# Altium PCB PCB-G-1.PcbDoc (part 1 of 2) (continued)
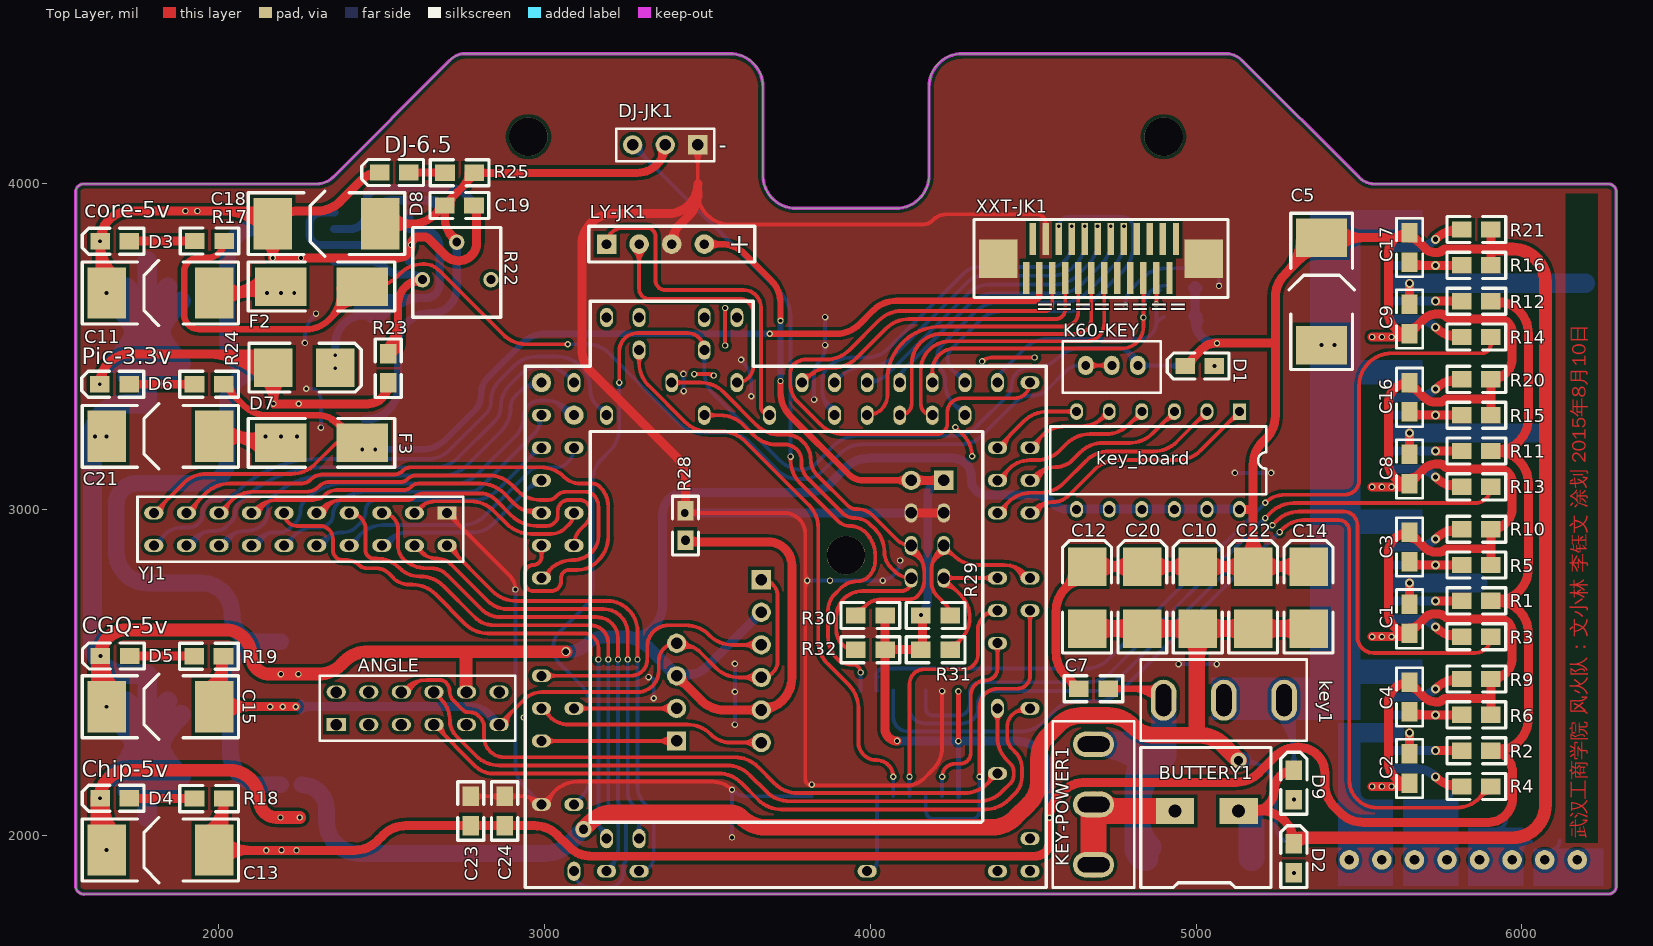
[diagram p0: Top Layer view]
## Nets (pads, with @x,y where several pads share a name; then routed paths per layer and width w, separated by ;. In a path a pad name is that pad's centre, name@x,y a point inside that pad or via, vN(x,y) a via of type N, cw(c..) or ccw(c..) an arc to the next point about the centre after c; other vN are vias at no path point) (continued)
  Top Layer w39.37: v1(1635,2114) cw(c1721,2114) 1721,2200 2032,2200 cw(c2032,2108) 2124,2108 ccw(c2177,2108) 2177,2055 v1(2189,2055) v1(2248,2055) ; v1(1636,2551) cw(c1716,2551) 1716,2631 2020,2631 cw(c2020,2552) 2099,2552 ccw(c2156,2552) 2156,2495 v1(2190,2495) v1(2244,2495) 2304.58,2495 ccw(c2304.58,2595) 2375.29,2524.29 2385.71,2534.71 cw(c2456.42,2464) 2456.42,2564 2757,2564 ; ANGLE.10@2760,2440 cw(c2760,2442) 2758,2442 2758,2563 ccw(c2757,2563) 2757,2564 ; v4(3065,2564) 2757,2564 ; D2.2@5303.76,1976.24 cw(c5344.22,1935.78) 5344.22,1993 ; D2.2@5318,1993 5972,1993 ccw(c5972,2093) 6072,2093 6072,3700 ccw(c5972,3700) 5972,3800 5905,3800
  Top Layer w59.06: D4.2@1635,2094.26 ccw(c1774.57,2094.26) C13.2@1675.88,1995.56 ; v1(1635,2114) 1635,1975 ccw(c1655,1975) v1(1655,1955) ; D5.2@1636,2531.84 ccw(c1772.16,2531.84) C15.2@1675.88,2435.56 ; v1(1636,2551) 1636,2414 ccw(c1655,2414) v1(1655,2395)
  Bottom Layer w25: AS1015.8@2584,3762 AS1015.7@2584,3812 ; AS1015.7@2584,3804.93 cw(c2598.07,3804.93) AS1015.7@2588.12,3814.88
  Bottom Layer w27.56: 3244.58,2609 3262,2609 ccw(c3262,2709) 3362,2709 3362,2986 cw(c3429,2986) 3429,3053 3807.58,3053 ccw(c3807.58,3153) 3878.29,3082.29 3924.71,3128.71 cw(c3995.42,3058) 3995.42,3158 4253,3158 cw(c4253,3101) 4310,3101 4310,3092 ccw(c4357,3092) 4357,3045 4501.47,3045 cw(c4501.47,2966.47) 4557,3022 ccw(c4605.3,3070.3) 4605.3,3001.99 5135.4,3001.99 ccw(c5135.4,2998.6) key_board.12@5133,3001 ; HW-RX1.3@3405,2490 3428.58,2490 ccw(c3428.58,2590) 3499.29,2519.29 GDG-RX1.2@3665,2685 ; HW-RX1.3@3412.87,2503.64 ccw(c3442.3,2554.61) 3457.53,2497.76 ; GDG-RX1.2@3649.25,2685 cw(c3611.23,2685) 3638.12,2658.12 cw(c3665,2631.23) GDG-RX1.2@3665,2669.25 ; RX2.1@4989.07,3594.93 ccw(c4969.91,3614.09) 4997,3614.09 ccw(c5024.09,3614.09) RX2.1@5004.93,3594.93 ; RX1.1@4989.07,3680.07 cw(c4969.91,3660.91) 4997,3660.91 cw(c5024.09,3660.91) RX1.1@5004.93,3680.07 ; RX1.1@4997,3688 4997,3588 4997,3578 ccw(c5064,3578) v1(5064,3511) ; 5002.77,3556.48 cw(c5023.95,3562.16) RX2.1@5009.43,3578.59
  Bottom Layer w39.37: v4(3065,2564) 3073.47,2564 ccw(c3073.47,2642.53) 3129,2587 cw(c3182.11,2533.89) 3182.11,2609 3218,2609 3244.58,2609 cw(c3244.58,2509) 3315.29,2579.71 HW-RX1.3@3405,2490
  Bottom Layer w59.06: 2.4@1675.6,2179.08 ccw(c1423.57,2431.11) 1780,2431.11 ccw(c2136.43,2431.11) 2.4@1884.4,2179.08 ; 3.4@1675.6,2370.92 cw(c1423.57,2118.89) 1780,2118.89 cw(c2136.43,2118.89) 3.4@1884.4,2370.92 ; 4.4@1675.6,3449.08 ccw(c1423.57,3701.11) 1780,3701.11 ccw(c2136.43,3701.11) 4.4@1884.4,3449.08 ; 1.4@1675.6,3640.92 cw(c1423.57,3388.89) 1780,3388.89 cw(c2136.43,3388.89) 1.4@1884.4,3640.92 ; 2.4@1706.15,2202.52 ccw(c1672.6,2260.6) 1737.38,2277.95 ccw(c1813.04,2298.23) 2.4@1801.59,2220.74 ; 4.4@1706.15,3472.52 ccw(c1672.6,3530.6) 1737.38,3547.95 ccw(c1813.04,3568.23) 4.4@1801.59,3490.74 ; 2.4@1717.36,2137.32 ccw(c1566.14,2288.54) 1780,2288.54 ccw(c1993.86,2288.54) 2.4@1842.64,2137.32 ; 3.4@1717.36,2412.68 cw(c1566.14,2261.46) 1780,2261.46 cw(c1993.86,2261.46) 3.4@1842.64,2412.68 ; 4.4@1717.36,3407.32 ccw(c1566.14,3558.54) 1780,3558.54 ccw(c1993.86,3558.54) 4.4@1842.64,3407.32 ; 1.4@1717.36,3682.68 cw(c1566.14,3531.46) 1780,3531.46 cw(c1993.86,3531.46) 1.4@1842.64,3682.68 ; 2.4@1758.41,2220.74 ccw(c1746.96,2298.23) 1822.62,2277.95 ccw(c1887.4,2260.6) 2.4@1853.85,2202.52 ; 4.4@1758.41,3490.74 ccw(c1746.96,3568.23) 1822.62,3547.95 ccw(c1887.4,3530.6) 4.4@1853.85,3472.52 ; 2.4@1780,2055 3.4@1780,2495 1712,2495 cw(c1712,2595) 1612,2595 1612,3225 cw(c1712,3225) 1712,3325 4.4@1780,3325 1.4@1780,3765
  Bottom Layer w78.74: BUTTERY1.1@5130,2075 cw(c5130,2035) 5170,2035 C6.2@5170,1930 ; 5170,2025.96 ccw(c5100.64,2025.96) 5149.69,2075 cw(c5110.31,2030.14) 5170,2030.14
  other v1: 5570,2150 5600,2150 5570,2610 5600,2610 5570,3070 5600,3070 1620,3225 1655,3225 5570,3530 5600,3530
ANGLE: ANGLE.8 pad.64 | length 2260
  Top Layer w11.81: ANGLE.8@2660,2440 2681.42,2418.58 ; ANGLE.8@2680.66,2431.47 ccw(c2688.29,2425.45) 2681.42,2418.58 ; pad.64@4380.26,2370.41 cw(c4356.73,2346.89) 4390,2346.89 cw(c4423.27,2346.89) pad.64@4399.74,2370.41 ; pad.64@4390,2390 4390,2301.42 ccw(c4490,2301.42) 4419.29,2230.71 4430,2220 cw(c4405.86,2195.86) 4440,2195.86 4440,2185 cw(c4403.79,2185) 4429.39,2159.39 4404.29,2134.29 cw(c4333.58,2205) 4333.58,2105 3751.42,2105 cw(c3751.42,2205) 3680.71,2134.29 3629.29,2185.71 ccw(c3558.58,2115) 3558.58,2215 2860.42,2215 cw(c2860.42,2315) 2789.71,2244.29 2728.09,2305.91 cw(c2774.18,2352) 2709,2352 ccw(c2614.85,2352) 2681.42,2418.58
ANGULAR1: ANGLE.6 pad.60 | length 2145.2
  Top Layer w11.81: ANGLE.6@2560,2440 2567.71,2447.71 cw(c2638.42,2377) 2638.42,2477 2677.69,2477 cw(c2677.69,2449.69) 2697,2469 cw(c2670.44,2442.44) 2708,2442.44 ccw(c2747.7,2442.44) 2719.63,2414.37 2748.22,2385.78 ccw(c2767,2404.56) 2767,2378 2770.44,2378 cw(c2770.44,2340.44) 2797,2367 2801.27,2362.73 cw(c2770.54,2332) 2814,2332 2814,2302 ccw(c2876,2302) 2876,2240 3583.58,2240 cw(c3583.58,2140) 3654.29,2210.71 3705.71,2159.29 ccw(c3776.42,2230) 3776.42,2130 4288.58,2130 ccw(c4288.58,2230) 4359.29,2159.29 ; ANGLE.6@2571.74,2439.49 cw(c2601.87,2431.42) 2586.28,2458.43 ; ANGLE.6@2583.15,2436.43 cw(c2640.82,2420.98) 2610.97,2472.69 ; pad.60@4366.8,2186.61 cw(c4339.03,2179.55) 4359.29,2159.29 ; pad.60@4390,2190 4359.29,2159.29
B+: 1.1 2.1 3.1 4.1 AS1015.2 AS1015.4 C10.1 C12.1 C14.1 C20.1 C22.1 F1.2 R8.2 R26.2 | length 9489.5
  Top Layer w51.18: v3(3119,2019) 3140.71,2040.71 cw(c3211.42,1970) 3211.42,2070 3567.78,2070 cw(c3567.78,2016.36) 3605.71,2054.29 ccw(c3676.42,2125) 3676.42,2025 4373.58,2025 ccw(c4373.58,2125) 4444.29,2054.29 4486.71,2096.71 ccw(c4416,2167.42) 4516,2167.42 4516,2236.58 cw(c4616,2236.58) 4545.29,2307.29 4576.71,2338.71 cw(c4647.42,2268) 4647.42,2368 4730.58,2368 cw(c4730.58,2268) 4801.29,2338.71 4803.71,2336.29 ccw(c4874.42,2407) 4874.42,2307 5002,2307 ; C12.1@4665,2635 C20.1@4835,2635 C10.1@5005,2635 ; C12.1@4688.66,2611.34 cw(c4745.79,2554.21) 4745.79,2635 cw(c4745.79,2715.79) C12.1@4688.66,2658.66 ; C20.1@4811.34,2611.34 ccw(c4754.21,2554.21) 4754.21,2635 ccw(c4754.21,2715.79) C20.1@4811.34,2658.66 ; C20.1@4858.66,2611.34 cw(c4915.79,2554.21) 4915.79,2635 cw(c4915.79,2715.79) C20.1@4858.66,2658.66 ; C10.1@4981.34,2658.66 cw(c4924.21,2715.79) 4924.21,2635 cw(c4924.21,2554.21) 4981.34,2611.34 cw(c4931.45,2561.45) 5002,2561.45 ; 5002,2546.97 cw(c5093.03,2546.97) 5028.66,2611.34 cw(c5085.79,2554.21) 5085.79,2635 cw(c5085.79,2715.79) C10.1@5028.66,2658.66 ; v3(5130,2230) 5082.29,2277.71 ccw(c5011.58,2207) 5011.58,2307 5002,2307 ; C22.1@5151.34,2611.34 ccw(c5094.21,2554.21) 5094.21,2635 ccw(c5094.21,2715.79) C22.1@5151.34,2658.66 ; C22.1@5198.66,2611.34 cw(c5255.79,2554.21) 5255.79,2635 cw(c5255.79,2715.79) C22.1@5198.66,2658.66 ; C14.1@5321.34,2611.34 ccw(c5264.21,2554.21) 5264.21,2635 ccw(c5264.21,2715.79) C14.1@5321.34,2658.66 ; C14.1@5345,2635 C22.1@5175,2635 C10.1@5005,2635 ; 5002,2307 5002,2627.76 cw(c5012.24,2627.76) C10.1@5005,2635
  Bottom Layer w11.81: F1.2@5133.94,2223.88 cw(c5149.03,2200.43) F1.2@5155.36,2227.58 ; F1.2@5140.33,2213.94 cw(c5170.05,2167.77) F1.2@5182.53,2221.24 ; F1.2@5145,2230 cw(c5145,2130) 5245,2130 5245,2030 ccw(c5300,2030) R8.2@5300,1975 ; F1.2@5146.22,2240.08 ccw(c5175.48,2258.27) F1.2@5167.65,2224.71
  Bottom Layer w25: AS1015.4@2354,3912 2313.7,3912 ccw(c2313.7,3876.3) 2278,3876.3 2278,3847.83 ccw(c2313.83,3847.83) 2313.83,3812 AS1015.2@2354,3812 2448,3812 ccw(c2448,3853) 2489,3853 2489,3912 cw(c2527,3912) 2527,3950 2654.37,3950 ; 2619.19,3950 cw(c2619.19,3865.19) R26.2@2679.16,3925.16 ; R26.2@2675.67,3931.95 ccw(c2654.37,3928.41) 2654.37,3950 ; R26.2@2693,3934 ccw(c2654.37,3895.37) 2654.37,3950
  Bottom Layer w51.18: 2.1@2190,2155 2135,2155 cw(c2135,2255) 2035,2255 2035,2495 cw(c2135,2495) 3.1@2135,2595 ; 3.1@2190,2595 3.1@2135,2595 ; 1.1@2190,3865 2115,3865 ccw(c2115,3775) 2025,3775 2025,3525 ccw(c2125,3525) 2125,3425 ccw(c2125,3325) 2025,3325 2025,3148 cw(c1958,3148) 1958,3081 1750,3081 ccw(c1750,3016) 1685,3016 1685,2870 ccw(c1780,2870) 1780,2775 1945,2775 cw(c1945,2680) 2040,2680 2040,2675 ccw(c2120,2675) 2120,2595 3.1@2135,2595 ; 2.1@2255,2155 cw(c2255,2080) 2330,2080 2330,2044.53 ccw(c2430,2044.53) 2430,1944.53 3003.11,1944.53 ccw(c3003.11,2044.53) 3073.82,1973.82 v3(3119,2019) ; v3(5130,2230) F1.2@5145,2230 ; R8.2@5300,1975 R8.2@5300,1980
"CGQ 5V": 3.3 ANGLE.11 C15.1 GDG-RX1.1 GDG-RX1.4 HW-RX1.4 R19.2 | length 3175.2
  Top Layer w11.81: ANGLE.11@2860,2340 2938.08,2418.08 cw(c2991,2365.16) 2991,2440 3285,2440 ccw(c3285,2505) 3350,2505 3350,2535 cw(c3405,2535) HW-RX1.4@3405,2590 3408.58,2590 cw(c3408.58,2490) 3479.29,2560.71 3525.71,2514.29 ccw(c3596.42,2585) 3596.42,2485 GDG-RX1.4@3665,2485 ccw(c3665,2535) 3715,2535 3715,2735 ccw(c3665,2735) GDG-RX1.1@3665,2785 ; ANGLE.11@2871.81,2340 cw(c2900.33,2340) 2880.16,2360.16 ; ANGLE.11@2883.62,2340 cw(c2940.65,2340) 2900.33,2380.33 ; HW-RX1.4@3418.28,2570.46 cw(c3444.81,2531.43) 3457.03,2577.02 cw(c3470.24,2626.33) HW-RX1.4@3425.64,2601.49 ; GDG-RX1.4@3648.3,2468.3 ccw(c3607.97,2427.97) 3607.97,2485 ccw(c3607.97,2542.03) GDG-RX1.4@3648.3,2501.7
  Top Layer w27.56: C15.1@1960.69,2452.88 ccw(c1898.89,2549.99) R19.2@2014,2550 2014,2424 cw(c1985,2424) C15.1@1985,2395 v1(2157,2395) v1(2196,2395) v1(2236,2395) ; C15.1@1975.49,2429.63 ccw(c1930.84,2499.79) 2014,2499.79 ; R19.2@1999.28,2544.39 cw(c1961.54,2522.6) 2003.64,2511.32 ; R19.2@2006.07,2542.07 cw(c1986.91,2522.91) 2014,2522.91 cw(c2041.09,2522.91) R19.2@2021.93,2542.07 ; C15.1@2017.01,2362.99 cw(c2094.3,2285.7) 2094.3,2395 cw(c2094.3,2504.3) C15.1@2017.01,2427.01
  Bottom Layer w27.56: 3.3@2190,2395 v1(2196,2395) v1(2236,2395) 2763.58,2395 cw(c2763.58,2295) 2834.29,2365.71 ANGLE.11@2860,2340 ; 3.3@2251.5,2386.65 cw(c2271.66,2366.49) 2271.66,2395 cw(c2271.66,2423.51) 3.3@2251.5,2403.35
"CHIP 5V": 2.3 74LS245.1 74LS245.20 BMQ1.1 BMQ1.2 C13.1 C23.2 C24.2 LY-JK1.4 R1.1 R2.1 R11.1 R12.1 R18.2 R29.1 R30.1 R31.1 R32.1 | length 11197.3
  Top Layer w15.75: v1(4270,2289.31) v1(4270,2442)
  Top Layer w19.68: LY-JK1.4@3490,3815 3542.58,3815 cw(c3542.58,3715) 3613.29,3785.71 3694.71,3704.29 cw(c3624,3633.58) 3724,3633.58 v1(3724,3580) ; LY-JK1.4@3504.25,3800.75 cw(c3538.66,3766.34) 3538.66,3815 cw(c3538.66,3863.66) LY-JK1.4@3504.25,3829.25 ; v1(3724,3395) 3724,3359.42 ccw(c3824,3359.42) 3753.29,3288.71 3933.42,3108.58 ccw(c3978.27,3153.43) 3978.27,3090 BMQ1.2@4125,3090 ; BMQ1.2@4111.08,3076.08 ccw(c4077.48,3042.48) 4077.48,3090 ccw(c4077.48,3137.52) BMQ1.2@4111.08,3103.92
  Top Layer w27.56: C13.1@1960.42,2012.71 ccw(c1895.58,2112.99) R18.2@2015,2113 2015,1985 cw(c1985,1985) C13.1@1985,1955 ccw(c1986,1955) 1986,1954 v1(2145,1954) v1(2238,1954) 2415.58,1954 ccw(c2415.58,2054) 2486.29,1983.29 2503.71,2000.71 cw(c2574.42,1930) 2574.42,2030 C23.2@2773,2030 C24.2@2877,2030 2968.58,2030 cw(c2968.58,1930) 3039.29,2000.71 3074.71,1965.29 ccw(c3145.42,2036) 3145.42,1936 4505,1936 ccw(c4505,1981) 4550,1981 v1(4550,2054) cw(c4646.57,2054) 4578.28,2122.28 4589.71,2133.71 cw(c4660.42,2063) 4660.42,2163 5121.58,2163 ccw(c5121.58,2263) 5192.29,2192.29 5241.71,2241.71 cw(c5312.42,2171) 5312.42,2271 cw(c5312.42,2185.11) 5373.16,2245.84 cw(c5320.43,2193.11) 5395,2193.11 5395,2158.42 ccw(c5495,2158.42) 5424.29,2087.71 5442.71,2069.29 ccw(c5513.42,2140) 5513.42,2040 5897,2040 ccw(c5897,2114) 5971,2114 5971,2194 ccw(c5905,2194) R2.1@5905,2260 5920,2260 ccw(c5920,2360) 6020,2360 6020,2620 ccw(c5920,2620) R1.1@5920,2720 ; C13.1@1975.38,1989.56 ccw(c1928.31,2062.36) 2015,2062.36 ; R18.2@2007.07,2105.07 cw(c1987.91,2085.91) 2015,2085.91 cw(c2042.09,2085.91) R18.2@2022.93,2105.07 ; C13.1@2017.01,1922.99 cw(c2091.89,1848.11) 2091.89,1954 ; C13.1@2017.01,1987.01 ccw(c2096.72,2066.72) 2096.72,1954 ; C23.2@2765.07,2022.07 ccw(c2745.91,2002.91) 2745.91,2030 ccw(c2745.91,2057.09) C23.2@2765.07,2037.93 ; C23.2@2780.93,2022.07 cw(c2800.09,2002.91) 2800.09,2030 cw(c2800.09,2057.09) C23.2@2780.93,2037.93 ; C24.2@2869.07,2022.07 ccw(c2849.91,2002.91) 2849.91,2030 ccw(c2849.91,2057.09) C24.2@2869.07,2037.93 ; C24.2@2884.93,2022.07 cw(c2904.09,2002.91) 2904.09,2030 cw(c2904.09,2057.09) C24.2@2884.93,2037.93 ; R32.1@4037.07,2562.07 cw(c4017.91,2542.91) 4045,2542.91 cw(c4072.09,2542.91) R32.1@4052.93,2562.07 ; R32.1@4037.07,2577.93 ccw(c4017.91,2597.09) 4045,2597.09 ccw(c4072.09,2597.09) R32.1@4052.93,2577.93 ; R30.1@4037.07,2667.07 cw(c4017.91,2647.91) 4045,2647.91 cw(c4072.09,2647.91) R30.1@4052.93,2667.07 ; R30.1@4045,2675 R32.1@4045,2570 ; R32.1@4057.93,2562.07 cw(c4077.09,2542.91) 4077.09,2570 cw(c4077.09,2597.09) R32.1@4057.93,2577.93 ; v1(4082,2290) cw(c4082,2327) 4045,2327 R32.1@4045,2570 ; BMQ1.2@4125,3090 BMQ1.1@4225,3090 ; BMQ1.2@4136.14,3078.86 cw(c4163.02,3051.98) 4163.02,3090 cw(c4163.02,3128.02) BMQ1.2@4136.14,3101.14 ; R31.1@4142.07,2562.07 ccw(c4122.91,2542.91) 4122.91,2570 ccw(c4122.91,2597.09) R31.1@4142.07,2577.93 ; R31.1@4152.07,2577.93 ccw(c4132.91,2597.09) 4160,2597.09 ccw(c4187.09,2597.09) R31.1@4167.93,2577.93 ; R29.1@4152.07,2667.07 cw(c4132.91,2647.91) 4160,2647.91 cw(c4187.09,2647.91) R29.1@4167.93,2667.07 ; R31.1@4155,2570 R32.1@4045,2570 ; R29.1@4155,2675 4160,2675 R31.1@4160,2570 ; BMQ1.1@4213.86,3078.86 ccw(c4186.98,3051.98) 4186.98,3090 ccw(c4186.98,3128.02) BMQ1.1@4213.86,3101.14 ; R1.1@5905,2720 R1.1@5920,2720 ; R11.1@5905,3180 R11.1@5920,3180 ; R12.1@5905,3640 5920,3640 cw(c5920,3540) 6020,3540 6020,3280 cw(c5920,3280) R11.1@5920,3180 ; R2.1@5915.61,2269.72 ccw(c5933.57,2300.83) 5942.87,2266.13 ; R1.1@5915.61,2710.28 cw(c5933.57,2679.17) 5942.87,2713.87 ; R1.1@5915.61,2729.72 ccw(c5933.57,2760.83) 5942.87,2726.13 ; R11.1@5915.61,3170.28 cw(c5933.57,3139.17) 5942.87,3173.87 ; R11.1@5915.61,3189.72 ccw(c5933.57,3220.83) 5942.87,3186.13 ; R12.1@5915.61,3630.28 cw(c5933.57,3599.17) 5942.87,3633.87 ; R2.1@5919.72,2265.61 ccw(c5947,2281.36) 5938.85,2250.93 ; R1.1@5920,2720 ccw(c5920,2820) 6020,2820 6020,3080 ccw(c5920,3080) R11.1@5920,3180
  Bottom Layer w15.75: 74LS245.1@4270,2120 v1(4270,2289.31)
  Bottom Layer w19.68: v1(3724,3395) v1(3724,3580)
  Bottom Layer w27.56: v1@4082,2289.31 v1(4270,2289.31) 4450,2289.31 cw(c4450,2189.31) 4550,2189.31 v1(4550,2054) ; v1(4155,2677) ccw(c4104.3,2727.7) 4176,2727.7 4176,3041 cw(c4225,3041) BMQ1.1@4225,3090
  other v1: 2192,1955
"CORE 5V": pad.3@4821,3443 pad.24 pad.119 R7.2 | length 3992.4
  Top Layer w11.81: v1(3229,3390) 3229,3486 cw(c3285,3486) 3285,3542 3438,3542 cw(c3438,3490) pad.119@3490,3490
  Bottom Layer w11.81: pad.24@3090,2095 3110.71,2115.71 ; pad.24@3110.28,2104 cw(c3116.8,2109.62) 3110.71,2115.71 ; v1(3229,3390) 3229,3250.42 cw(c3129,3250.42) 3199.71,3179.71 3174.29,3154.29 ccw(c3240.17,3088.41) 3147,3088.41 3147,2767.42 cw(c3047,2767.42) 3117.71,2696.71 3045.01,2624.01 ccw(c3090.91,2578.11) 3026,2578.11 ccw(c3101.11,2578.11) 3048,2525 3110.71,2462.29 cw(c3040,2391.58) 3140,2391.58 3140,2186.42 cw(c3040,2186.42) 3110.71,2115.71 ; pad.119@3480.26,3470.41 cw(c3456.73,3446.89) 3490,3446.89 cw(c3523.27,3446.89) pad.119@3499.74,3470.41 ; pad.119@3490,3490 3490,3424.42 ccw(c3590,3424.42) 3519.29,3353.71 3723.13,3149.87 ccw(c3788,3214.74) 3788,3123 ccw(c3788,3185.77) 3832.38,3141.38 3888.71,3197.71 cw(c3959.42,3127) 3959.42,3227 4256.58,3227 ccw(c4256.58,3327) 4327.29,3256.29 4419.86,3348.86 ccw(c4385.72,3383) 4434,3383 cw(c4487.11,3383) 4449.56,3420.56 cw(c4486.84,3383.27) 4486.84,3436 4504.58,3436 ccw(c4504.58,3536) 4575.29,3465.29 cw(c4651.86,3388.7) 4651.86,3497 4745.58,3497 cw(c4745.58,3397) 4816.29,3467.71 4841,3443 4961.17,3443 cw(c4961.17,3436.17) R7.2@4966,3441 ; 4775.44,3493.96 cw(c4742.36,3442.5) pad.3@4803.34,3447.47 ; 4795.54,3481.05 cw(c4772.34,3444.94) pad.3@4815.11,3448.43 ; pad.3@4833.53,3430.47 cw(c4863.77,3400.23) 4863.77,3443 cw(c4863.77,3485.77) pad.3@4833.53,3455.53 ; 4910.07,3443 cw(c4910.07,3390.07) R7.2@4947.5,3427.5 ; 4919.73,3443 ccw(c4919.73,3482.27) R7.2@4947.5,3454.5
CORE-5V: F2.2 pad.1@4661,3443 pad.2@4741,3443 R17.2 | length 4017
  Top Layer w11.81: F2.2@2440,3685 2474.58,3685 ccw(c2474.58,3785) 2545.29,3714.29 2555.71,3724.71 cw(c2626.42,3654) 2626.42,3754 2629,3754 cw(c2629,3688.82) 2675.09,3734.91 2872.71,3537.29 ccw(c2943.42,3608) 2943.42,3508 v1(3071,3508) ; F2.2@2510.39,3700.92 ccw(c2516.48,3702.83) 2518.13,3696.67 ccw(c2520.04,3689.55) F2.2@2512.68,3688.99 ; pad.1@4661,3443 pad.2@4741,3443 ; pad.1@4673.53,3430.47 cw(c4703.77,3400.23) 4703.77,3443 cw(c4703.77,3485.77) pad.1@4673.53,3455.53 ; pad.2@4728.47,3430.47 ccw(c4698.23,3400.23) 4698.23,3443 ccw(c4698.23,3485.77) pad.2@4728.47,3455.53
  Top Layer w19.68: R17.2@2016,3825 cw(c1964,3825) 1964,3773 1936,3773 ccw(c1936,3730) 1893,3730 1893,3600 ccw(c1939,3600) 1939,3554 2267.58,3554 ccw(c2267.58,3654) 2338.29,3583.29 ; 2366.94,3611.94 ccw(c2307.41,3671.47) F2.2@2391,3681.49 ; 2369.91,3614.91 cw(c2420.32,3564.5) F2.2@2420.32,3635.79 ; F2.2@2371.45,3679.14 cw(c2256.25,3665.34) 2338.29,3583.29 ; F2.2@2440,3685 2338.29,3583.29
  Bottom Layer w11.81: v1(3071,3508) 3128.58,3508 cw(c3128.58,3408) 3199.29,3478.71 3412.71,3265.29 ccw(c3483.42,3336) 3483.42,3236 3558.58,3236 cw(c3558.58,3136) 3629.29,3206.71 3717,3119 ccw(c3777.36,3179.36) 3777.36,3094 3792,3094 ccw(c3792,3183.33) 3855.16,3120.16 3906.71,3171.71 cw(c3977.42,3101) 3977.42,3201 4280.02,3201 ccw(c4280.02,3287.87) 4341.44,3226.44 4443.37,3328.37 cw(c4498,3273.74) 4498,3351 4501.96,3351 ccw(c4501.96,3409.04) 4543,3368 4601.74,3426.74 cw(c4641,3387.47) 4641,3443 pad.1@4661,3443
CREAMER3.3V: F3.2 R24.2 XXT-JK1.3 YJ1.19 | length 3850.8
  Top Layer w11.81: YJ1.19@1800,2990 1890.71,3080.71 cw(c1961.42,3010) 1961.42,3110 2223.58,3110 ccw(c2223.58,3210) 2294.29,3139.29 2350.71,3195.71 cw(c2421.42,3125) 2408.5,3224.16 cw(c2421.42,3125) 2421.42,3225 F3.2@2440,3225 ; YJ1.19@1811.81,2990 cw(c1840.33,2990) 1820.16,3010.16 ; YJ1.19@1823.62,2990 cw(c1880.65,2990) 1840.33,3030.33
  Top Layer w19.68: R24.2@2015,3385 ccw(c2024.66,3385) 2017.83,3378.17 2076.71,3319.29 ccw(c2147.42,3390) 2147.42,3290 2301.24,3290 cw(c2301.24,3190) 2371.95,3260.71 2408.5,3224.16 cw(c2408.5,3194.37) 2429.56,3215.44 F3.2@2440,3205 ; R24.2@2035.16,3385 ccw(c2093.48,3385) 2052.24,3343.76 ; 2346.59,3275.35 cw(c2302.22,3198.49) F3.2@2390.83,3203.38 ; F3.2@2378.09,3257.17 cw(c2345.6,3200.88) F3.2@2410.49,3204.46 ; F3.2@2379.77,3256.2 ccw(c2398.09,3287.93) F3.2@2407.58,3252.54 ; v1(3691,3540) 3895.58,3540 ccw(c3895.58,3640) 3966.29,3569.29 4008.71,3611.71 cw(c4079.42,3541) 4079.42,3641 4499,3641 ccw(c4499,3660) 4518,3660 XXT-JK1.3@4518,3711
  Bottom Layer w19.68: v1(2440,3185) 2623.58,3185 ccw(c2623.58,3285) 2694.29,3214.29 2783.79,3303.79 ccw(c2732.57,3355) 2805,3355 cw(c2877.43,3355) 2826.21,3406.21 2930.71,3510.71 cw(c3001.42,3440) 3001.42,3540 v1(3691,3540)
  other v1: 2480,3185
DGND: 74LS245.10 74LS245.19 BMQ1.3 BMQ1.4 C23.1 C24.1 DJ-JK1.1 LY-JK1.3 pad.23 R28.2 XXT-JK1. XXT-JK1.4 YJ1.1 | length 10643.8
  Top Layer w11.81: YJ1.1@2711.81,2990 ccw(c2740.33,2990) 2720.16,2969.84 ; YJ1.1@2718.58,2990 YJ1.1@2700,2990 2892.32,2797.68 cw(c2849.64,2755) v1(2910,2755) ; YJ1.1@2723.62,2990 ccw(c2780.65,2990) 2740.33,2949.67 ; C23.1@2773,2120 C24.1@2877,2120 2929.64,2120 cw(c2929.64,2034.64) pad.23@2990,2095 3030.71,2135.71 cw(c3101.42,2065) 3101.42,2165 3514.64,2165 cw(c3514.64,2079.64) v1(3575,2140) ; C23.1@2786.5,2106.5 cw(c2819.1,2073.9) 2819.1,2120 cw(c2819.1,2166.1) C23.1@2786.5,2133.5 ; C24.1@2863.5,2106.5 ccw(c2830.9,2073.9) 2830.9,2120 ccw(c2830.9,2166.1) C24.1@2863.5,2133.5 ; C24.1@2890.5,2106.5 cw(c2923.1,2073.9) 2923.1,2120 cw(c2923.1,2166.1) C24.1@2890.5,2133.5 ; 2949.28,2118.51 cw(c2931.68,2088.03) pad.23@2966.52,2093.04 ; 2964.1,2109.95 ccw(c2972.33,2124.21) pad.23@2976.59,2108.31 ; pad.23@3001.81,2095 cw(c3030.33,2095) 3010.16,2115.16 ; pad.23@3013.62,2095 cw(c3070.65,2095) 3030.33,2135.33 ; R28.2@3432,2996 ccw(c3438,2996) 3438,2990 3735.28,2990 cw(c3735.28,2925.28) 3800,2925.28 3800,2173 ccw(c3820,2173) v1@3820,2153 ; R28.2@3439.74,2980.26 cw(c3463.27,2956.73) 3463.27,2990 cw(c3463.27,3023.27) R28.2@3439.74,2999.74 ; R28.2@3445.5,2977.5 cw(c3475.68,2947.32) 3475.68,2990 ; R28.2@3445.5,3004.5 ccw(c3480.51,3039.51) 3480.51,2990 ; DJ-JK1.1@3453.3,4103.3 cw(c3412.97,4062.97) 3470,4062.97 cw(c3527.03,4062.97) DJ-JK1.1@3486.7,4103.3 ; 3470,3942 3470,3961 ; DJ-JK1.1@3470,4120 3470,4000 3470,3975 ccw(c3570,3975) 3570,3875 4156.79,3875 ccw(c4156.79,3926.21) 4193,3890 cw(c4234.04,3848.96) 4234.04,3907 4511,3907 cw(c4511,3880) 4538,3880 XXT-JK1.4@4538,3831 ; 3800,2758.01 cw(c3829.99,2758.01) v1@3808.78,2779.22 ; 3800,2805.99 ccw(c3829.99,2805.99) v1@3808.78,2784.78 ; v1@3820,2157 v1@3820,2153 ; v1@3822.78,2158.78 ccw(c3836.75,2172.75) 3836.75,2153 ; v1(4220,2443) 4220,2271.42 cw(c4120,2271.42) 4190.71,2200.71 4165.42,2175.42 cw(c4111.29,2229.55) 4111.29,2153 v1@3820,2153 ; XXT-JK1.4@4534.59,3872.34 ccw(c4518.99,3881.35) 4536.39,3886.01
  Top Layer w27.56: LY-JK1.3@3381.89,3829.05 ccw(c3362.31,3862.96) 3400.14,3852.83 ccw(c3437.96,3842.69) LY-JK1.3@3404.05,3823.11 ; LY-JK1.3@3390,3815 cw(c3474.5,3815) 3414.75,3874.75 3440.71,3900.71 ccw(c3370,3971.42) 3470,3971.42 ; R28.2@3424.07,3008.93 ccw(c3404.91,3028.09) 3432,3028.09 ccw(c3459.09,3028.09) R28.2@3439.93,3008.93 ; R28.2@3432,2996 3432,3092.58 ccw(c3332,3092.58) 3402.71,3163.29 3143.29,3422.71 cw(c3214,3493.42) 3114,3493.42 3114,3812 cw(c3211,3812) 3211,3909 3379,3909 ccw(c3379,4000) 3470,4000 ; 3470,3961 3470,3971.42 ; 3470,3975 3470,3971.42 ; BMQ1.4@4125,2990 BMQ1.3@4225,2990
  Bottom Layer w11.81: v1(2264,3512) 2264,3526.58 cw(c2364,3526.58) 2293.29,3597.29 v1(2298,3602) ; v1(2268,3371) 2284.1,3371 cw(c2284.1,3347.1) 2301,3364 cw(c2272.03,3335.03) 2313,3335.03 v1(2313,3252) ; 2289.82,3591.9 cw(c2301.88,3584.15) v1@2298.84,3598.15 ; v1(2910,2755) 2910,2216.42 ccw(c3010,2216.42) 2939.29,2145.71 pad.23@2990,2095 ; 2949.67,2135.33 cw(c2909.35,2095) pad.23@2966.38,2095 ; 2969.84,2115.16 cw(c2949.67,2095) pad.23@2978.19,2095 ; v1@3320,2486 cw(c3320,2471) 3335,2471 v1(3335,2421) ; 3426,3375.92 ccw(c3438.92,3375.92) v1@3429.78,3366.78 ; v1(3426,3417) 3426,3365 v1(3427,3364) ; v1(3575,1994) v1(3575,2140) ccw(c3623.28,2188.28) 3623.28,2120 74LS245.10@3820,2120 ; v1(3584,2340) v1(3584,2441) v1(3584,2527) ; v1@3602.09,3456.17 cw(c3599.44,3445.06) 3609.17,3451.05 ; v1(3603,3460) 3604.71,3458.29 cw(c3534,3387.58) 3634,3387.58 v1(3634,3348) ; v1(3806,2782) v1(3876,2782) 4029,2782 ccw(c4029,2844) v1(4091,2844) ; v1(3827,3338) 3827,3418.2 cw(c3874.8,3418.2) 3841,3452 ccw(c3792.72,3500.28) 3861,3500.28 v1(3861,3505) ; v1@3857.59,3503.03 cw(c3845.75,3496.2) 3858.96,3492.66 ; v1(3861,3591) v1(3861,3505) ; v1@3862,3504 cw(c3862,3505) v1(3861,3505) ; v1@4041.41,2780.03 cw(c4056.53,2771.3) 4052.01,2788.17 ; v1(4783,3628) cw(c4857.84,3628) 4804.92,3680.92 4835.71,3711.71 cw(c4906.42,3641) 4906.42,3741 5032.44,3741 cw(c5032.44,3703.44) 5059,3730 cw(c5032.44,3703.44) 5070,3703.44 v1(5070,3687) ; v1(4946,2526) v1(5063,2526) ; v1(5119,3113) v1(5230,3113)
  Bottom Layer w27.56: v5(3430,2990) BMQ1.4@4125,2990
  other v1: 3820,2156 3319,2486 4038,2782
DJ_6.5V: C18.1 C19.1 DJ-JK1.2 L1.2 R22.2 R25.2 | length 2340.5
  Top Layer w25: C18.1@2495,3878 2593.58,3878 ccw(c2593.58,3978) 2664.29,3907.29 C19.1@2694.41,3937.41 ; C18.1@2530.95,3848.43 cw(c2593.57,3796.92) 2593.57,3878 cw(c2593.57,3959.08) C18.1@2530.95,3907.57 ; 2664.54,3907.54 ccw(c2638.08,3934) C19.1@2675.5,3934 ; C19.1@2671.78,3914.78 cw(c2688,3898.57) C19.1@2688,3921.5 ; C19.1@2684.16,3925.16 cw(c2662.82,3903.82) 2693,3903.82 cw(c2723.18,3903.82) C19.1@2701.84,3925.16 ; C19.1@2710.5,3934 cw(c2757.58,3934) 2724.29,3967.29 ; 2710.72,3848.74 ccw(c2742.32,3866.99) R22.2@2732.88,3831.74 ; R22.2@2730,3821 2722.29,3828.71 cw(c2793,3899.42) 2693,3899.42 C19.1@2693,3934 ; 2749.18,3992.18 ccw(c2707.35,4034) R25.2@2766.5,4034 ; R25.2@2797.84,4025.16 cw(c2819.18,4003.82) 2819.18,4034 cw(c2819.18,4064.18) R25.2@2797.84,4042.84 ; DJ-JK1.2@3355.25,4111.49 cw(c3319.65,4090.93) 3359.36,4080.29 cw(c3399.07,4069.65) DJ-JK1.2@3378.51,4105.25 ; DJ-JK1.2@3370,4120 cw(c3284,4120) 3284,4034 R25.2@2784,4034 cw(c2767.1,4034) 2779.06,4022.06 C19.1@2694.41,3937.41 ; C19.1@2693,3934 cw(c2697.83,3934) C19.1@2694.41,3937.41 ; C19.1@2693,3934 cw(c2697.83,3934) C19.1@2694.41,3937.41 ; C19.1@2693,3934 cw(c2697.83,3934) C19.1@2694.41,3937.41 ; C19.1@2693,3934 ccw(c2689.59,3937.41) C19.1@2694.41,3937.41
  Bottom Layer w25: L1.2@2447,3277 2450,3277 ccw(c2450,3377) 2550,3377 2550,3507 cw(c2646,3507) 2646,3603 2652,3603 ccw(c2652,3681) 2730,3681 R22.2@2730,3821 ; R22.2@2722.14,3813.14 cw(c2703.15,3794.15) 2730,3794.15 cw(c2756.85,3794.15) R22.2@2737.86,3813.14
GD-1: GDG-RX1.3 pad.15 | length 938.7
  Top Layer w11.81: pad.15@2990,2490 3265,2490 ccw(c3265,2540) 3315,2540 3315,2580 cw(c3380,2580) 3380,2645 3433.58,2645 cw(c3433.58,2545) 3504.29,2615.71 3505.71,2614.29 ccw(c3576.42,2685) 3576.42,2585 GDG-RX1.3@3665,2585 ; pad.15@3009.59,2480.26 cw(c3033.11,2456.73) 3033.11,2490 cw(c3033.11,2523.27) pad.15@3009.59,2499.74 ; GDG-RX1.3@3648.3,2568.3 ccw(c3607.97,2527.97) 3607.97,2585 ccw(c3607.97,2642.03) GDG-RX1.3@3648.3,2601.7
GD-2: GDG-RX1.6 pad.17 | length 817.8
  Top Layer w11.81: pad.17@2990,2390 3015.71,2364.29 ; pad.17@3012.29,2384.09 ccw(c3028.03,2376.61) 3015.71,2364.29 ; GDG-RX1.6@3648.3,2268.3 ccw(c3607.97,2227.97) 3607.97,2285 ccw(c3607.97,2342.03) GDG-RX1.6@3648.3,2301.7 ; GDG-RX1.6@3665,2285 3571.36,2285 cw(c3571.36,2372.78) 3509.29,2310.71 ccw(c3438.58,2240) 3438.58,2340 3074.35,2340 cw(c3074.35,2422.93) 3015.71,2364.29
HW-1: HW-RX1.2 pad.18 | length 456.8
  Top Layer w11.81: pad.18@3090,2390 HW-RX1.2@3405,2390 ; pad.18@3109.59,2380.26 cw(c3133.11,2356.73) 3133.11,2390 cw(c3133.11,2423.27) pad.18@3109.59,2399.74 ; HW-RX1.2@3388.3,2373.3 ccw(c3347.97,2332.97) 3347.97,2390 ccw(c3347.97,2447.03) HW-RX1.2@3388.3,2406.7
HW-2: HW-RX1.1 pad.19 | length 556.8
  Top Layer w11.81: pad.19@2990,2290 HW-RX1.1@3405,2290 ; pad.19@3009.59,2280.26 cw(c3033.11,2256.73) 3033.11,2290 cw(c3033.11,2323.27) pad.19@3009.59,2299.74 ; HW-RX1.1@3388.3,2273.3 ccw(c3347.97,2232.97) 3347.97,2290 ccw(c3347.97,2347.03) HW-RX1.1@3388.3,2306.7